# Allegro board MCU035_A_PCB.brd (continued)
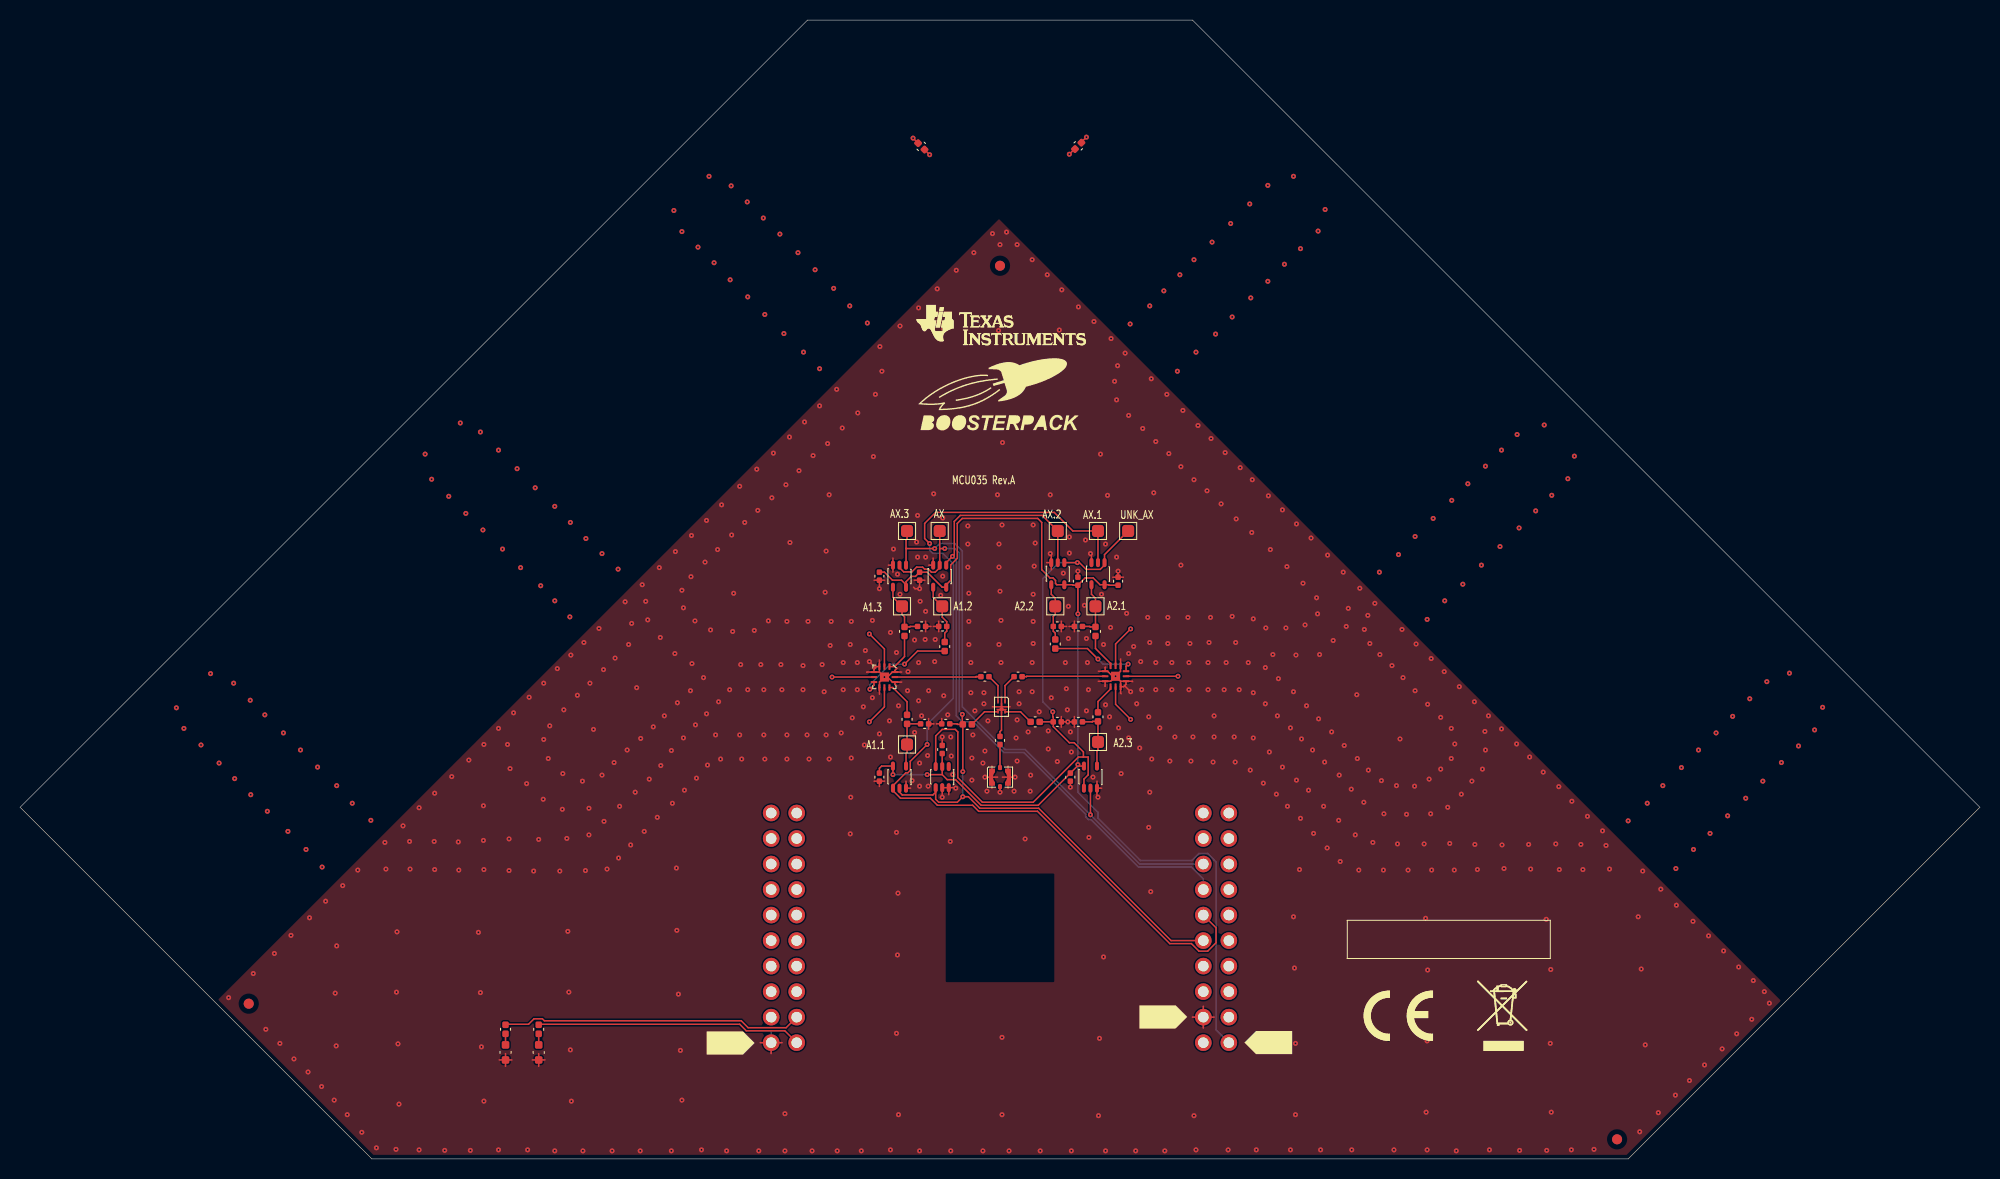
[diagram p0: board, top side]
## Text on the board (continued)
User.8: FIGURE | FINISHED_SIZE | 0.2 | 1.05 | DRILL CHART: TOP to BOTTOM | ALL UNITS ARE IN MILLIMETERS | PLATED | QTY | 795 | 40
